# Altium PCB AVR64DA64-BREAKOUT.PcbDoc (part 4 of 4) (continued)
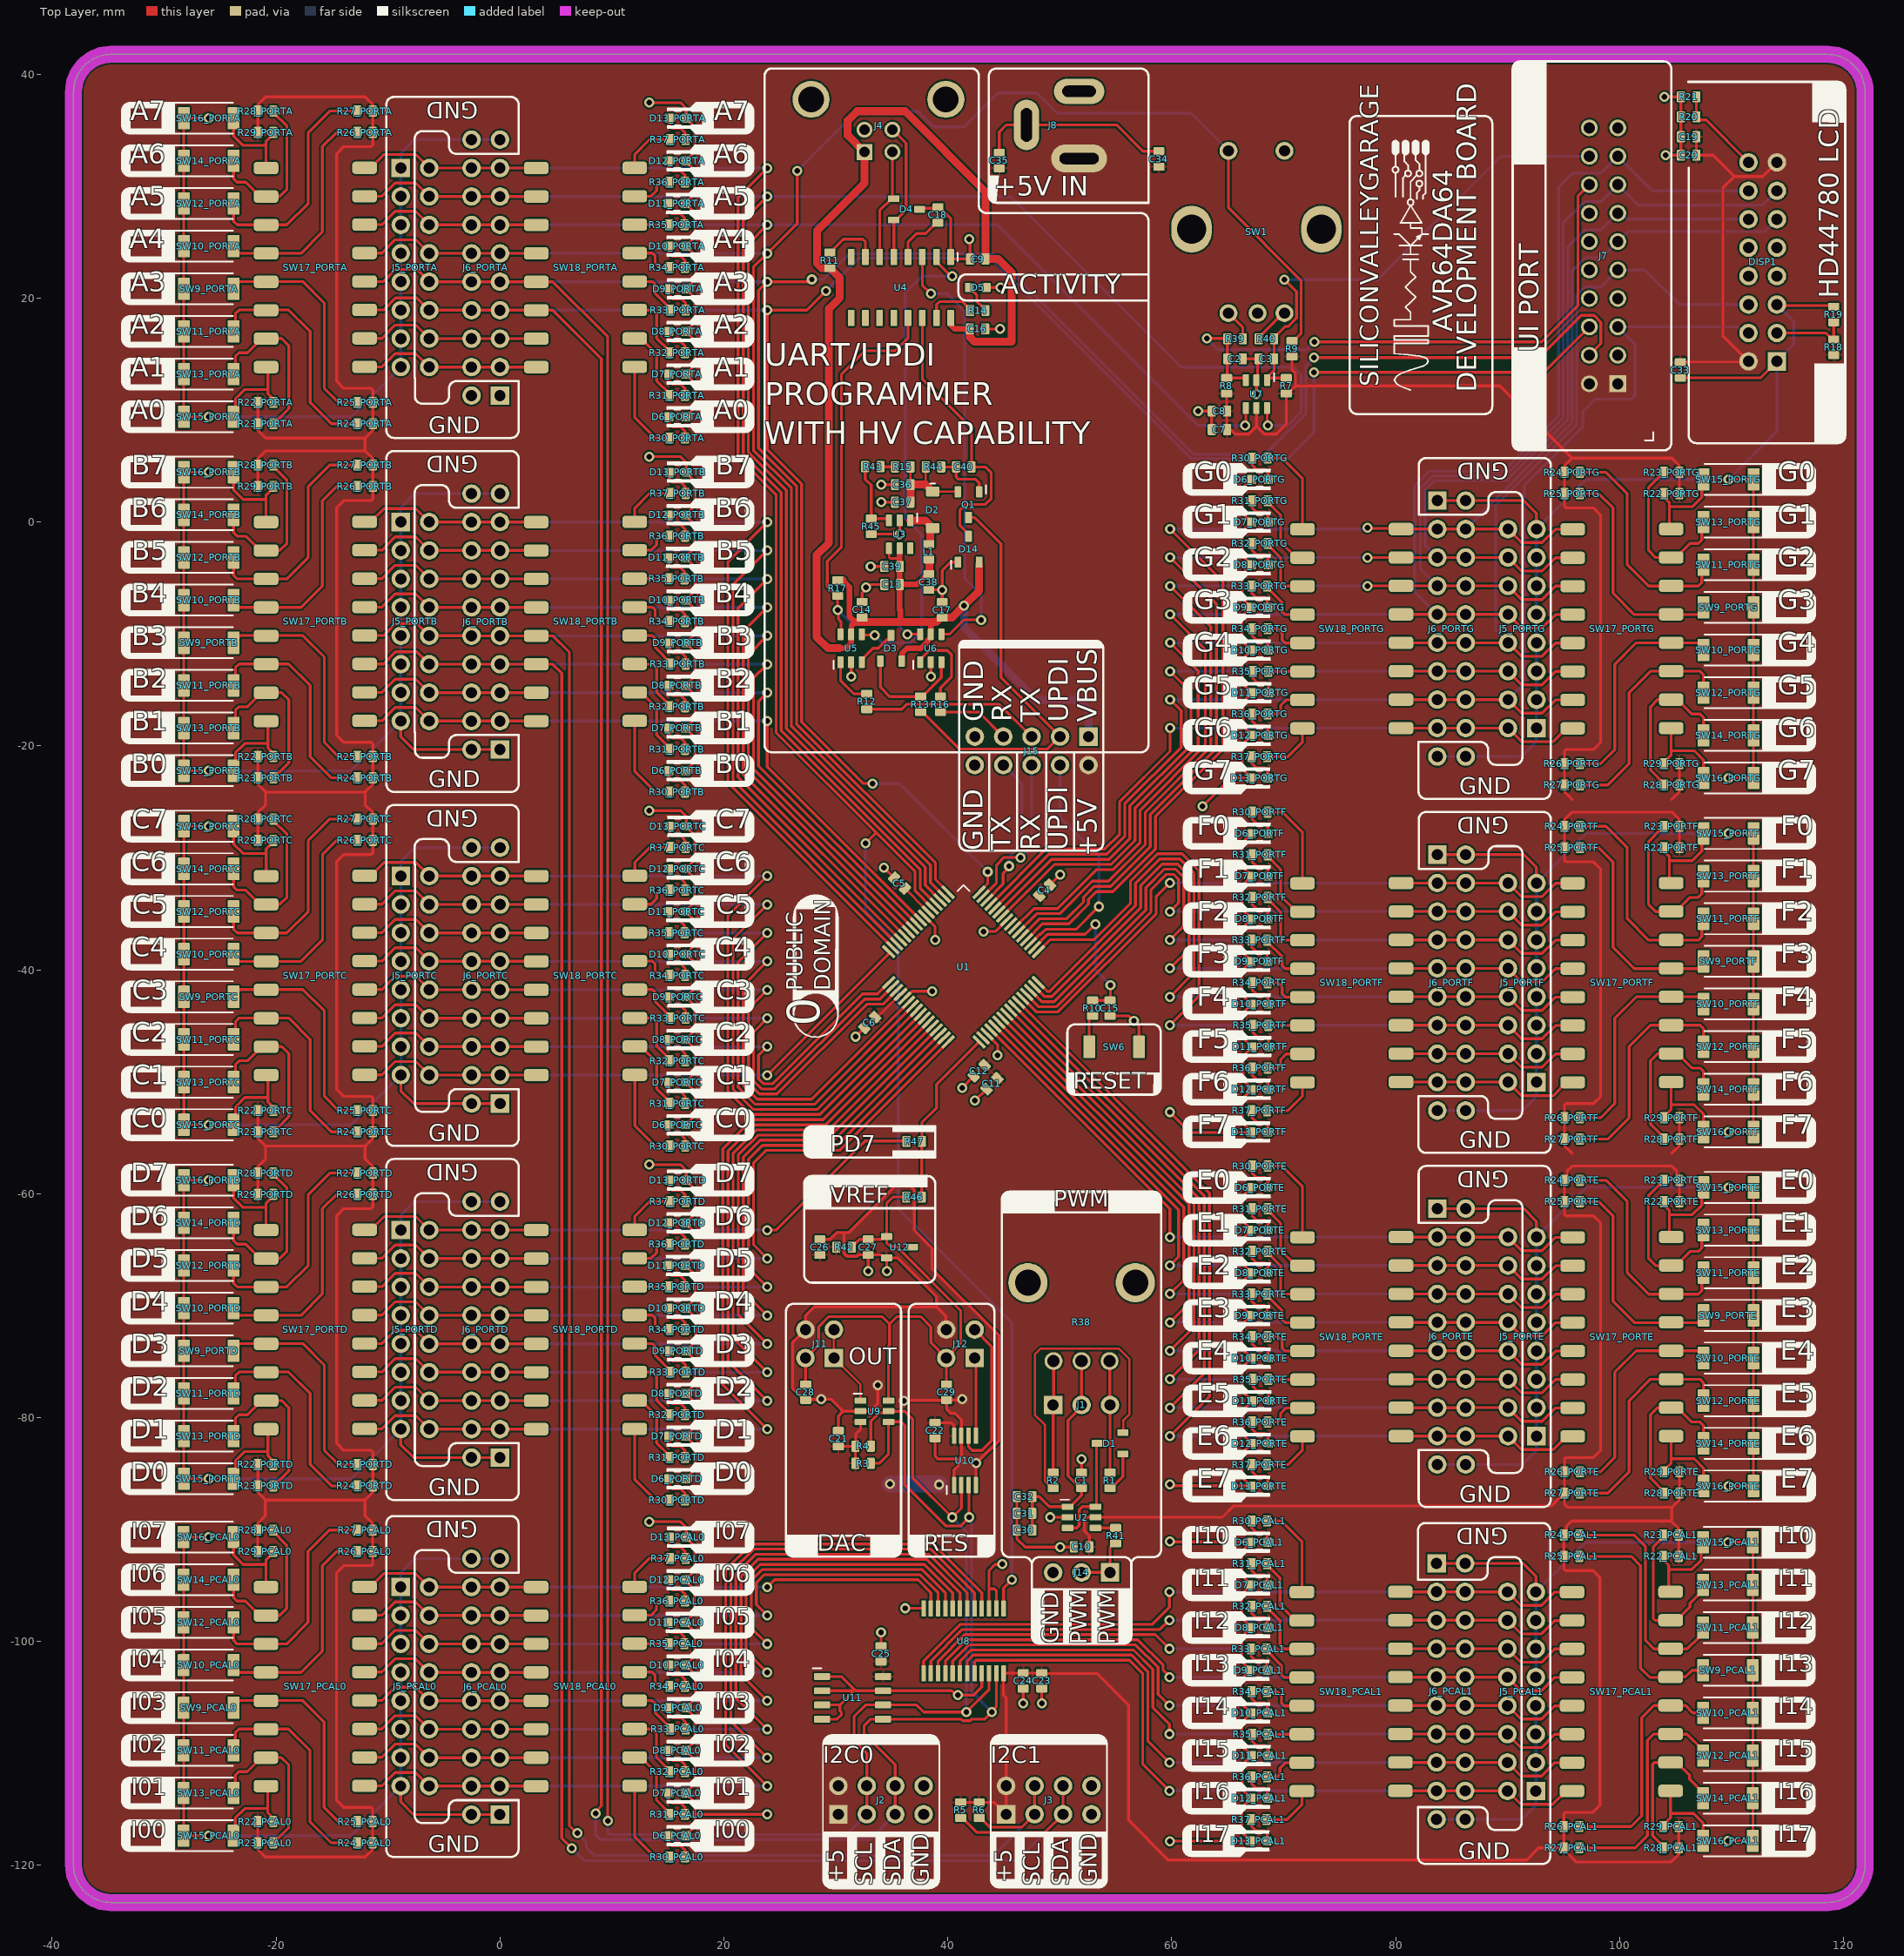
[diagram p0: Top Layer view]
## Nets (pads, with @x,y where several pads share a name; then routed paths per layer and width w, separated by ;. In a path a pad name is that pad's centre, name@x,y a point inside that pad or via, vN(x,y) a via of type N, cw(c..) or ccw(c..) an arc to the next point about the centre after c; other vN are vias at no path point) (continued)
PC4: J5_PORTC.8 J6_PORTC.11 J6_PORTC.12 SW17_PORTC.5 SW18_PORTC.12 U1.22 | length 71
  Top Layer w0.254: SW17_PORTC.5@-12.09,-39.218 -10.545,-39.218 -9.358,-38.032 -7.524,-38.032 J5_PORTC.8@-6.318,-39.238 -6.315,-39.241 3.237,-39.241 SW18_PORTC.12@3.24,-39.243 ; v1(23.88,-39.243) 21.728,-41.395 21.728,-50.294 22.989,-51.555 27.834,-51.555 U1.22@36.492,-42.898
  Bottom Layer w0.254: J6_PORTC.11@0.004,-39.243 v1(23.88,-39.243)
PC5: J5_PORTC.6 J6_PORTC.13 J6_PORTC.14 SW17_PORTC.6 SW18_PORTC.11 U1.23 | length 74.9
  Top Layer w0.254: SW17_PORTC.6@-12.09,-36.678 -10.545,-36.678 -9.358,-35.492 -7.524,-35.492 -6.315,-36.701 3.237,-36.701 SW18_PORTC.11@3.24,-36.703 ; v1(23.88,-36.703) 21.271,-39.312 21.271,-50.484 22.799,-52.012 28.084,-52.012 U1.23@36.845,-43.251
  Bottom Layer w0.254: J6_PORTC.13@0.004,-36.703 v1(23.88,-36.703)
PC6: J5_PORTC.4 J6_PORTC.15 J6_PORTC.16 SW17_PORTC.7 SW18_PORTC.10 U1.24 | length 78.8
  Top Layer w0.254: SW17_PORTC.7@-12.09,-34.138 -10.545,-34.138 -9.358,-32.952 -7.524,-32.952 -6.315,-34.161 3.237,-34.161 SW18_PORTC.10@3.24,-34.163 ; v1(23.88,-34.163) 20.814,-37.229 20.814,-50.673 22.61,-52.469 28.334,-52.469 U1.24@37.199,-43.605
  Bottom Layer w0.254: J6_PORTC.15@0.004,-34.163 v1(23.88,-34.163)
PC7: J5_PORTC.2 J6_PORTC.17 J6_PORTC.18 SW17_PORTC.8 SW18_PORTC.9 U1.25 | length 82.7
  Top Layer w0.254: SW17_PORTC.8@-12.09,-31.598 -11.54,-31.598 -10.353,-30.412 -7.524,-30.412 J5_PORTC.2@-6.318,-31.618 -6.315,-31.621 3.237,-31.621 SW18_PORTC.9@3.24,-31.623 ; v1(23.88,-31.623) 20.356,-35.146 20.356,-50.862 22.42,-52.926 28.584,-52.926 U1.25@37.552,-43.958
  Bottom Layer w0.254: J6_PORTC.17@0.004,-31.623 v1(23.88,-31.623)
PD0: J5_PORTD.16 J6_PORTD.3 J6_PORTD.4 SW17_PORTD.1 SW18_PORTD.16 U1.26 | length 89.7
  Top Layer w0.254: SW17_PORTD.1@-12.094,-81.001 -10.549,-81.001 -9.362,-79.815 -7.528,-79.815 J5_PORTD.16@-6.322,-81.021 -6.319,-81.024 3.233,-81.024 SW18_PORTD.16@3.236,-81.026 ; v1(23.876,-81.026) 19.907,-77.057 19.907,-55.982 22.505,-53.384 26.188,-53.384 28.834,-53.384 U1.26@37.906,-44.312
  Bottom Layer w0.254: J6_PORTD.3@0,-81.026 v1(23.876,-81.026)
PD1: J5_PORTD.14 J6_PORTD.5 J6_PORTD.6 SW17_PORTD.2 SW18_PORTD.15 U1.27 | length 86.6
  Top Layer w0.254: SW17_PORTD.2@-12.094,-78.461 -10.549,-78.461 -9.362,-77.275 -7.528,-77.275 J5_PORTD.14@-6.322,-78.481 -6.319,-78.484 3.233,-78.484 SW18_PORTD.15@3.236,-78.486 ; v1(23.876,-78.486) 20.364,-74.974 20.364,-56.171 22.694,-53.841 26.377,-53.841 29.084,-53.841 U1.27@38.259,-44.665
  Bottom Layer w0.254: J6_PORTD.5@0,-78.486 v1(23.876,-78.486)
PD2: J5_PORTD.12 J6_PORTD.7 J6_PORTD.8 SW17_PORTD.3 SW18_PORTD.14 U1.28 | length 83.5
  Top Layer w0.254: SW17_PORTD.3@-12.094,-75.921 -10.549,-75.921 -9.362,-74.735 -7.528,-74.735 J5_PORTD.12@-6.322,-75.941 -6.319,-75.944 3.233,-75.944 SW18_PORTD.14@3.236,-75.946 ; v1(23.876,-75.946) 20.821,-72.891 20.821,-56.36 22.883,-54.298 26.566,-54.298 29.334,-54.298 U1.28@38.613,-45.019
  Bottom Layer w0.254: J6_PORTD.7@0,-75.946 v1(23.876,-75.946)
PD3: J5_PORTD.10 J6_PORTD.9 J6_PORTD.10 SW17_PORTD.4 SW18_PORTD.13 U1.29 | length 80.4
  Top Layer w0.254: SW17_PORTD.4@-12.094,-73.381 -10.549,-73.381 -9.362,-72.195 -7.528,-72.195 J5_PORTD.10@-6.322,-73.401 -6.319,-73.404 3.233,-73.404 SW18_PORTD.13@3.236,-73.406 ; v1(23.876,-73.406) 21.278,-70.808 21.278,-56.55 23.073,-54.755 26.756,-54.755 29.584,-54.755 U1.29@38.966,-45.373
  Bottom Layer w0.254: J6_PORTD.9@0,-73.406 v1(23.876,-73.406)
PD4: J5_PORTD.8 J6_PORTD.11 J6_PORTD.12 SW17_PORTD.5 SW18_PORTD.12 U1.30 | length 77.4
  Top Layer w0.254: SW17_PORTD.5@-12.094,-70.841 -10.549,-70.841 -9.362,-69.655 -7.528,-69.655 J5_PORTD.8@-6.322,-70.861 -6.319,-70.864 3.233,-70.864 SW18_PORTD.12@3.236,-70.866 ; v1(23.876,-70.866) 21.735,-68.725 21.735,-56.739 23.262,-55.212 26.945,-55.212 29.834,-55.212 U1.30@39.32,-45.726
  Bottom Layer w0.254: J6_PORTD.11@0,-70.866 v1(23.876,-70.866)
PD5: J5_PORTD.6 J6_PORTD.13 J6_PORTD.14 SW17_PORTD.6 SW18_PORTD.11 U1.31 | length 74.3
  Top Layer w0.254: SW17_PORTD.6@-12.094,-68.301 -10.549,-68.301 -9.362,-67.115 -7.528,-67.115 J5_PORTD.6@-6.322,-68.321 -6.319,-68.324 3.233,-68.324 SW18_PORTD.11@3.236,-68.326 ; v1(23.876,-68.326) 22.193,-66.643 22.193,-56.928 23.451,-55.67 30.083,-55.67 U1.31@39.673,-46.08
  Bottom Layer w0.254: J6_PORTD.13@0,-68.326 v1(23.876,-68.326)
PD6: J5_PORTD.4 J6_PORTD.15 J6_PORTD.16 SW17_PORTD.7 SW18_PORTD.10 U1.32 | length 71.1
  Top Layer w0.254: SW17_PORTD.7@-12.094,-65.761 -10.549,-65.761 -9.362,-64.575 -7.528,-64.575 J5_PORTD.4@-6.322,-65.781 -6.319,-65.784 3.233,-65.784 SW18_PORTD.10@3.236,-65.786 ; v1(23.876,-65.786) 22.65,-64.56 22.65,-57.233 23.756,-56.127 30.333,-56.127 U1.32@40.027,-46.433
  Bottom Layer w0.254: J6_PORTD.15@0,-65.786 v1(23.876,-65.786)
PD7: J5_PORTD.2 J6_PORTD.17 J6_PORTD.18 R47.1 SW17_PORTD.8 SW18_PORTD.9 | length 55.9
  Top Layer w0.254: SW17_PORTD.8@-12.094,-63.221 -11.544,-63.221 -10.357,-62.035 -7.528,-62.035 J5_PORTD.2@-6.322,-63.241 -6.319,-63.244 0,-63.244 3.233,-63.244 SW18_PORTD.9@3.236,-63.246 ; v1(23.876,-63.246) 24.638,-63.246 32.599,-55.285 R47.1@36.31,-55.285
  Bottom Layer w0.254: J6_PORTD.17@0,-63.246 v1(23.876,-63.246)
PE0: J5_PORTE.16 J6_PORTE.3 J6_PORTE.4 SW17_PORTE.1 SW18_PORTE.16 U1.36 | length 65.3
  Top Layer w0.254: U1.36@43.845,-45.372 59.837,-61.364 v1(59.837,-63.869) ; SW18_PORTE.16@80.477,-63.868 80.48,-63.871 90.032,-63.871 J5_PORTE.16@90.035,-63.874 91.241,-65.08 93.075,-65.08 94.261,-63.893 SW17_PORTE.1@95.807,-63.893
  Bottom Layer w0.254: v1(59.837,-63.869) J6_PORTE.3@83.713,-63.869
PE1: J5_PORTE.14 J6_PORTE.5 J6_PORTE.6 SW17_PORTE.2 SW18_PORTE.15 U1.37 | length 68.7
  Top Layer w0.254: U1.37@44.199,-45.019 60.617,-61.437 60.617,-65.629 v1(59.837,-66.409) ; SW18_PORTE.15@80.477,-66.408 80.48,-66.411 90.032,-66.411 J5_PORTE.14@90.035,-66.414 91.241,-67.62 93.075,-67.62 94.261,-66.433 SW17_PORTE.2@95.807,-66.433
  Bottom Layer w0.254: v1(59.837,-66.409) J6_PORTE.5@83.713,-66.409
PE2: J5_PORTE.12 J6_PORTE.7 J6_PORTE.8 SW17_PORTE.3 SW18_PORTE.14 U1.38 | length 71.8
  Top Layer w0.254: U1.38@44.553,-44.665 61.074,-61.187 61.074,-67.712 v1(59.837,-68.949) ; SW18_PORTE.14@80.477,-68.948 80.48,-68.951 90.032,-68.951 J5_PORTE.12@90.035,-68.954 91.241,-70.16 93.075,-70.16 94.261,-68.973 SW17_PORTE.3@95.807,-68.973
  Bottom Layer w0.254: v1(59.837,-68.949) J6_PORTE.7@83.713,-68.949
PE3: J5_PORTE.10 J6_PORTE.9 J6_PORTE.10 SW17_PORTE.4 SW18_PORTE.13 U1.39 | length 75
  Top Layer w0.254: U1.39@44.906,-44.312 61.531,-60.937 61.531,-69.794 v1(59.837,-71.489) ; SW18_PORTE.13@80.477,-71.488 80.48,-71.491 90.032,-71.491 J5_PORTE.10@90.035,-71.494 91.241,-72.7 93.075,-72.7 94.261,-71.513 SW17_PORTE.4@95.807,-71.513
  Bottom Layer w0.254: v1(59.837,-71.489) J6_PORTE.9@83.713,-71.489
PE4: J5_PORTE.8 J6_PORTE.11 J6_PORTE.12 SW17_PORTE.5 SW18_PORTE.12 U1.40 | length 78.1
  Top Layer w0.254: U1.40@45.26,-43.958 61.989,-60.687 61.989,-71.877 v1(59.837,-74.029) ; SW18_PORTE.12@80.477,-74.028 80.48,-74.031 90.032,-74.031 J5_PORTE.8@90.035,-74.034 91.241,-75.24 93.075,-75.24 94.261,-74.053 SW17_PORTE.5@95.807,-74.053
  Bottom Layer w0.254: v1(59.837,-74.029) J6_PORTE.11@83.713,-74.029
PE5: J5_PORTE.6 J6_PORTE.13 J6_PORTE.14 SW17_PORTE.6 SW18_PORTE.11 U1.41 | length 81.2
  Top Layer w0.254: U1.41@45.613,-43.605 62.446,-60.437 62.446,-73.96 v1(59.837,-76.569) ; SW18_PORTE.11@80.477,-76.568 80.48,-76.571 90.032,-76.571 J5_PORTE.6@90.035,-76.574 91.241,-77.78 93.075,-77.78 94.261,-76.593 SW17_PORTE.6@95.807,-76.593
  Bottom Layer w0.254: v1(59.837,-76.569) J6_PORTE.13@83.713,-76.569
PE6: J5_PORTE.4 J6_PORTE.15 J6_PORTE.16 SW17_PORTE.7 SW18_PORTE.10 U1.42 | length 84.3
  Top Layer w0.254: U1.42@45.967,-43.251 62.903,-60.187 62.903,-76.043 v1(59.837,-79.109) ; SW18_PORTE.10@80.477,-79.108 80.48,-79.111 J6_PORTE.16@86.253,-79.111 ; J6_PORTE.16@86.253,-79.109 J5_PORTE.4@90.03,-79.109 ; J5_PORTE.4@90.035,-79.114 91.241,-80.32 93.075,-80.32 94.261,-79.133 SW17_PORTE.7@95.807,-79.133
  Bottom Layer w0.254: v1(59.837,-79.109) J6_PORTE.15@83.713,-79.109
PE7: J5_PORTE.2 J6_PORTE.17 J6_PORTE.18 SW17_PORTE.8 SW18_PORTE.9 U1.43 | length 87.5
  Top Layer w0.254: U1.43@46.32,-42.898 63.36,-59.938 63.36,-78.126 v1(59.837,-81.649) ; SW18_PORTE.9@80.477,-81.648 80.48,-81.651 90.032,-81.651 J5_PORTE.2@90.035,-81.654 91.241,-82.86 94.07,-82.86 95.257,-81.673 SW17_PORTE.8@95.807,-81.673
  Bottom Layer w0.254: v1(59.837,-81.649) J6_PORTE.17@83.713,-81.649
PF0: J5_PORTF.16 J6_PORTF.3 J6_PORTF.4 SW17_PORTF.1 SW18_PORTF.16 U1.44 | length 59.5
  Top Layer w0.254: U1.44@46.674,-42.544 47.888,-43.758 49.856,-43.758 58.598,-35.016 58.598,-33.485 v1(59.837,-32.246) ; SW18_PORTF.16@80.477,-32.245 80.48,-32.248 90.032,-32.248 J5_PORTF.16@90.035,-32.251 91.241,-33.457 93.075,-33.457 94.261,-32.27 SW17_PORTF.1@95.807,-32.27
  Bottom Layer w0.254: v1(59.837,-32.246) J6_PORTF.3@83.713,-32.246
PF1: J5_PORTF.14 J6_PORTF.5 J6_PORTF.6 SW17_PORTF.2 SW18_PORTF.15 U1.45 | length 63.7
  Top Layer w0.254: U1.45@47.027,-42.191 48.138,-43.301 49.666,-43.301 58.141,-34.827 58.141,-32.839 59.514,-31.466 60.16,-31.466 60.617,-31.923 60.617,-34.006 v1(59.837,-34.786) ; SW18_PORTF.15@80.477,-34.785 80.48,-34.788 90.032,-34.788 J5_PORTF.14@90.035,-34.791 91.241,-35.997 93.075,-35.997 94.261,-34.81 SW17_PORTF.2@95.807,-34.81
  Bottom Layer w0.254: v1(59.837,-34.786) J6_PORTF.5@83.713,-34.786
PF2: J5_PORTF.12 J6_PORTF.7 J6_PORTF.8 SW17_PORTF.3 SW18_PORTF.14 U1.46 | length 66.8
  Top Layer w0.254: U1.46@47.381,-41.837 48.388,-42.844 49.477,-42.844 57.683,-34.638 57.683,-32.649 59.324,-31.009 60.349,-31.009 61.074,-31.733 61.074,-36.089 v1(59.837,-37.326) ; SW18_PORTF.14@80.477,-37.325 80.48,-37.328 90.032,-37.328 J5_PORTF.12@90.035,-37.331 91.241,-38.537 93.075,-38.537 94.261,-37.35 SW17_PORTF.3@95.807,-37.35
  Bottom Layer w0.254: v1(59.837,-37.326) J6_PORTF.7@83.713,-37.326
PF3: J5_PORTF.10 J6_PORTF.9 J6_PORTF.10 SW17_PORTF.4 SW18_PORTF.13 U1.47 | length 69.9
  Top Layer w0.254: U1.47@47.734,-41.483 48.638,-42.387 49.288,-42.387 57.226,-34.448 57.226,-32.46 59.135,-30.551 60.539,-30.551 61.531,-31.544 61.531,-38.171 v1(59.837,-39.866) ; SW18_PORTF.13@80.477,-39.865 80.48,-39.868 90.032,-39.868 J5_PORTF.10@90.035,-39.871 91.241,-41.077 93.075,-41.077 94.261,-39.89 SW17_PORTF.4@95.807,-39.89
  Bottom Layer w0.254: v1(59.837,-39.866) J6_PORTF.9@83.713,-39.866
PF4: J5_PORTF.8 J6_PORTF.11 J6_PORTF.12 SW17_PORTF.5 SW18_PORTF.12 U1.48 | length 73
  Top Layer w0.254: U1.48@48.088,-41.13 48.888,-41.93 49.098,-41.93 56.769,-34.259 56.769,-32.271 58.945,-30.094 60.728,-30.094 61.989,-31.355 61.989,-40.254 v1(59.837,-42.406) ; SW18_PORTF.12@80.477,-42.405 80.48,-42.408 90.032,-42.408 J5_PORTF.8@90.035,-42.411 91.241,-43.617 93.075,-43.617 94.261,-42.43 SW17_PORTF.5@95.807,-42.43
  Bottom Layer w0.254: v1(59.837,-42.406) J6_PORTF.11@83.713,-42.406
PF5: J5_PORTF.6 J6_PORTF.13 J6_PORTF.14 SW17_PORTF.6 SW18_PORTF.11 U1.49 | length 74.8
  Top Layer w0.254: U1.49@48.088,-38.372 49.155,-37.305 53.076,-37.305 56.312,-34.069 56.312,-32.081 58.756,-29.637 60.917,-29.637 62.446,-31.165 62.446,-42.337 v1(59.837,-44.946) ; SW18_PORTF.11@80.477,-44.945 80.48,-44.948 90.032,-44.948 J5_PORTF.6@90.035,-44.951 91.241,-46.157 93.075,-46.157 94.261,-44.97 SW17_PORTF.6@95.807,-44.97
  Bottom Layer w0.254: v1(59.837,-44.946) J6_PORTF.13@83.713,-44.946
PG5: J5_PORTG.6 J6_PORTG.13 J6_PORTG.14 SW17_PORTG.6 SW18_PORTG.11 U1.59 | length 72.6
  Top Layer w0.254: U1.59@44.553,-34.837 49.265,-30.124 54.088,-30.124 54.389,-30.124 56.261,-28.253 56.261,-25.354 61.722,-19.893 61.722,-15.195 v1(59.85,-13.323) ; SW18_PORTG.11@80.477,-13.322 80.48,-13.325 90.032,-13.325 J5_PORTG.6@90.035,-13.328 91.241,-14.534 93.075,-14.534 94.261,-13.347 SW17_PORTG.6@95.807,-13.347
  Bottom Layer w0.254: v1(59.85,-13.323) J6_PORTG.13@83.726,-13.323
PG7: J5_PORTG.2 J6_PORTG.17 J6_PORTG.18 SW17_PORTG.8 SW18_PORTG.9 U1.61 | length 65.6
  Top Layer w0.254: U1.61@43.845,-34.13 48.765,-29.21 54.01,-29.21 55.347,-27.874 55.347,-24.975 59.85,-20.472 v1(59.85,-18.403) ; SW18_PORTG.9@80.477,-18.402 80.48,-18.405 90.032,-18.405 J5_PORTG.2@90.035,-18.408 91.241,-19.614 94.07,-19.614 95.257,-18.427 SW17_PORTG.8@95.807,-18.427
  Bottom Layer w0.254: v1(59.85,-18.403) J6_PORTG.17@83.726,-18.403
ROT-PHA: C2.1 J7.16 R8.2 R39.1 U7.3 | length 53.6
  Top Layer w0.254: v1(63.125,16.4) 64.932,16.4 R39.1@64.969,16.363 64.969,12.934 R8.2@64.897,12.862 66.466,12.862 66.614,12.714 U7.3@66.614,12.68 ; v1(72.725,16.1) 93.05,16.1 96.273,19.323 96.273,22.09 96.273,22.94 96.273,29.108 J7.16@97.3,30.135
  Bottom Layer w0.254: v1(63.125,16.4) 64.125,15.4 72.025,15.4 v1(72.725,16.1)
ROT-PHB: C3.1 J7.18 R7.2 R40.1 U7.1 | length 44.3
  Top Layer w0.254: v1(70.05,21.65) 71.141,20.559 71.141,18.216 70.399,17.473 70.118,17.473 69.143,16.498 69.143,13.559 68.514,12.93 U7.1@68.514,12.68 68.514,12.714 68.662,12.862 R7.2@70.231,12.862
  Bottom Layer w0.254: v1(70.05,21.65) 78.375,21.65 89.4,32.675 J7.18@97.3,32.675
RTS: C40.1 D14.3 U4.14 | length 25.3
  Top Layer w0.254: U4.14@37.719,18.23 37.719,12.781 42.115,8.385 C40.1@42.115,4.925 43.35,4.925 43.875,4.4 43.875,2.1 43.35,1.575 41.575,1.575 41.075,1.075 41.075,-0.3 41.85,-1.075 D14.3@41.85,-1.275
SCL2: J3.3 J3.4 J5_PORTB.10 J6_PORTB.9 J6_PORTB.10 R6.2 SW17_PORTB.4 SW18_PORTB.13 U1.11 | length 234.3
  Top Layer w0.254: SW17_PORTB.4@-12.094,-10.135 -10.402,-10.135 -9.319,-9.053 -7.424,-9.053 -6.32,-10.157 -2.54,-10.157 -2.538,-10.16 J6_PORTB.9@0,-10.16 0,-10.158 0.003,-10.16 SW18_PORTB.13@3.236,-10.16 4.717,-10.16 6.197,-11.64 6.197,-116.449 6.848,-117.1 v1(6.9,-117.1) ; v1(23.876,-10.16) 22.181,-11.855 22.181,-22.294 U1.11@36.492,-36.604 ; R6.2@42.799,-115.752 42.934,-115.752 43.769,-116.587 46.592,-116.587 J3.3@47.748,-115.432 J3.4@47.748,-112.892
  Bottom Layer w0.254: J6_PORTB.9@0,-10.16 v1(23.876,-10.16) ; v1(6.9,-117.1) 7.712,-117.912 7.712,-118.412 8.4,-119.1 44.08,-119.1 J3.3@47.748,-115.432
SDA1: J3.5 J3.6 J5_PORTB.12 J6_PORTB.7 J6_PORTB.8 R5.2 SW17_PORTB.3 SW18_PORTB.14 U1.10 | length 236.9
  Top Layer w0.254: SW17_PORTB.3@-12.094,-12.675 -10.402,-12.675 -9.319,-11.593 -7.424,-11.593 -6.32,-12.697 -2.54,-12.697 -2.538,-12.7 J6_PORTB.7@0,-12.7 0,-12.698 0.003,-12.7 SW18_PORTB.14@3.236,-12.7 4.717,-12.7 5.509,-13.493 5.509,-117.559 v1(6.425,-118.475) ; v1(23.876,-12.7) 22.639,-13.937 22.639,-22.044 U1.10@36.845,-36.251 ; R5.2@41.148,-115.752 41.283,-115.752 42.576,-117.045 48.675,-117.045 J3.5@50.288,-115.432 J3.6@50.288,-112.892
  Bottom Layer w0.254: J6_PORTB.7@0,-12.7 v1(23.876,-12.7) ; v1(6.425,-118.475) 7.525,-119.575 46.145,-119.575 J3.5@50.288,-115.432
UART-RX: J15.6 U1.63 | length 14.4
  Top Layer w0.254: U1.63@43.138,-33.422 44.341,-32.22 44.341,-30.628 45.016,-29.954 46.464,-29.954 v1(46.482,-29.972)
  Bottom Layer w0.254: v1(46.482,-29.972) 47.485,-28.969 J15.6@47.485,-21.708
UART-TX: J15.8 U1.62 | length 14
  Top Layer w0.254: U1.62@43.492,-33.776 44.945,-32.322 44.945,-31.389 45.466,-30.868 v1(45.466,-30.734)
  Bottom Layer w0.254: J15.8@44.945,-21.708 46.609,-23.371 46.609,-28.742 45.466,-29.885 v1(45.466,-30.734)
UPDI: J15.4 U1.51 | length 21.6
  Top Layer w0.254: U1.51@47.381,-37.665 48.216,-36.83 48.277,-36.83 48.734,-36.373 51.477,-36.373 v1(53.5,-34.35)
  Bottom Layer w0.254: J15.4@50.025,-21.708 50.025,-26.393 53.5,-29.868 v1(53.5,-34.35)
USBRX: J15.7 R16.2 | length 6.5
  Top Layer w0.254: R16.2@39.343,-16.965 42.743,-16.965 J15.7@44.945,-19.168
USBTX: J15.5 R12.2 | length 16.1
  Top Layer w0.254: R12.2@32.759,-16.715 35.879,-16.715 36.319,-16.275 38.144,-16.275 38.593,-16.275 44.593,-16.275 J15.5@47.485,-19.168
VBUS: C9.1 C13.1 C14.1 C16.1 C17.1 C38.1 C39.1 D3.2 D14.2 J4.1 J15.1 L1.1 R11.1 R17.1 U3.4 U3.5 U4.16 U5.5 U6.5 | length 150.3
  Top Layer w0.2: U3.4@34.75,-2.35 34.75,-3.133 34.867,-3.25 35.65,-3.25 35.7,-3.2
  Top Layer w0.5: 30.285,-11.275 30.909,-11.275 31.366,-10.818 U5.5@31.366,-10.021 31.391,-9.996 31.391,-9.259 31.707,-8.943 31.2,-8.436 31.2,-5.785 R17.1@30.625,-5.21 ; U3.5@35.7,-2.35 35.7,-3.2 35.7,-7.803 35.75,-7.853 35.75,-8.943 ; C13.1@35.715,-5.575 37.25,-5.575 38.165,-4.66 C38.1@38.3,-4.66 ; D3.2@35.872,-12.421 35.922,-12.371 35.922,-11.703 36.35,-11.275 37.599,-11.275 38.203,-10.671 38.203,-10.546 38.453,-10.296 38.453,-10.046 U6.5@38.478,-10.021 38.478,-8.943 ; U4.16@40.259,18.23 40.309,18.18 40.309,17.543 40.602,17.25 C16.1@41.982,17.25
  Top Layer w0.7: R17.1@30.175,-5.21 R17.1@30.625,-5.21 ; 30.285,-11.275 29.3,-11.275 28.275,-10.25 28.275,-2.95 29.375,-1.85 29.375,19.05 30.35,20.025 30.35,21.792 29.609,22.533 29.609,22.668 29.599,22.678 R11.1@29.464,22.678 29.454,22.688 28.739,22.688 28.329,23.098 28.329,26.037 32.552,30.26 J4.1@32.552,33.052 31.05,34.554 31.05,35.85 31.9,36.7 36.175,36.7 43.362,29.513 C9.1@43.362,23.495 ; 31.707,-8.943 35.75,-8.943 38.403,-8.943 38.478,-8.943 38.944,-8.943 39.345,-8.542 39.48,-8.542 C17.1@39.49,-8.532 39.5,-8.522 40.377,-8.522 41.421,-7.478 v1(41.455,-7.478) 42.8,-6.133 D14.2@42.8,-3.775 ; L1.1@38.3,-3.34 38.353,-3.34 38.363,-3.35 C38.1@38.363,-4.65 ; C16.1@41.95,17.395 41.96,17.385 C16.1@41.96,17.25 ; C16.1@41.982,17.25 41.982,16.518 42.392,16.107 45.707,16.107 45.707,22.293 44.505,23.495 C9.1@43.362,23.495 ; C9.1@43.362,23.36 C9.1@43.362,23.495
  Bottom Layer w0.7: v1(41.455,-7.478) 41.455,-9.43 47.9,-15.875 51.65,-15.875 52.565,-16.79 J15.1@52.565,-19.168
VREF: C27.1 C28.2 C29.1 J11.2 J12.2 R42.2 R46.1 U9.6 U12.1 | length 52.6
  Top Layer w0.254: C28.2@27.305,-77.034 27.284,-77.013 J11.2@27.284,-74.673 28.448,-73.509 28.448,-71.875 29.346,-70.978 34.128,-70.978 34.789,-71.639 ; R42.2@31.424,-64.77 31.424,-64.635 31.657,-64.402 31.792,-64.402 32.114,-64.08 C27.1@32.893,-64.08 34.081,-64.08 34.337,-63.824 U12.1@34.537,-63.824 ; U9.6@34.7,-78.475 34.7,-73.607 34.789,-73.518 34.789,-71.639 ; R46.1@36.285,-60.285 35.116,-60.285 34.537,-60.864 U12.1@34.537,-63.824 ; C29.1@39.878,-77.034 39.857,-77.013 J12.2@39.857,-74.673 ; U12.1@34.537,-63.824 34.537,-64.382 34.855,-64.7 35.413,-64.7 41.148,-70.435 41.148,-73.382 J12.2@39.857,-74.673 ; 34.789,-71.639 35.45,-70.978 37.577,-70.978 38.481,-71.882 38.481,-73.297 J12.2@39.857,-74.673
pads on no net: R38.ME1 R38.ME2 SW1.M1 SW1.M2 U3.6 U4.8 U12.3

## Polygon pours and split planes (outlines as drawn)
P5VD on Top Layer "AGND" (solid, remove dead copper, pour order 1): -40.64,-127 -40.64,45.72 124.46,45.72 124.46,-127 -30.48,-127
GND on Top Layer "AGND" (solid, remove dead copper, pour order 2): 25.4,-58.85 25.4,-90.4 45.775,-90.4 45.775,-58.85 29.975,-58.85
GND on Bottom Layer "G" (solid, remove dead copper, pour order 0): 124.46,-124.46 124.46,43.18 -40.64,43.18 -40.64,-124.46

## Keep-outs
Keep-Out Layer:
  the board outline again, w1.524

## Silkscreen, mask and mechanical layers (free items; w line width, h text height)
Top Overlay:
  drawing of 3060 lines, arcs and shapes, not listed
  text "GND" at -1.962,38.024 h2.54 r180
  text "A7" at -33.026,35.282 h3
  text "A7" at 19.116,35.282 h3
  text "A6" at -33.047,31.457 h3
  text "A6" at 19.095,31.457 h3
  text "+5V IN" at 44.125,28.57 h3
  text "A5" at -33.004,27.664 h3
  text "A5" at 19.138,27.664 h3
  text "A4" at -33.072,23.852 h3
  text "A4" at 19.07,23.852 h3
  text "A3" at -33.004,20.025 h3
  text "A3" at 19.138,20.025 h3
  text "HD44780 LCD" at 120.135,19.975 h3 r90
  text "ACTIVITY" at 44.704,19.77 h3
  text "AVR64DA64" at 85.652,16.975 h3 r90
  text "A2" at -33.016,16.213 h3
  text "A2" at 19.127,16.213 h3
  text "UI PORT" at 93.36,15.175 h3 r90
  text "A1" at -33.009,12.418 h3
  text "A1" at 19.133,12.418 h3
  text "SILICONVALLEYGARAGE" at 78.988,12.098 h2.8 r90
  text "DEVELOPMENT BOARD" at 87.802,11.6 h3 r90
  text "A0" at -33.056,8.595 h3
  text "A0" at 19.086,8.595 h3
  text "GND" at -6.395,7.442 h2.54
  text "GND" at -1.962,6.401 h2.54 r180
  text "UART/UPDI / PROGRAMMER / WITH HV CAPABILITY" at 23.622,6.269 h3.5
  text "GND" at 90.108,5.778 h2.54 r180
  text "B7" at -32.901,3.665 h3
  text "B7" at 19.241,3.665 h3
  text "G0" at 61.976,3.071 h3
  text "G0" at 114.119,3.071 h3
  text "B6" at -32.922,-0.163 h3
  text "B6" at 19.22,-0.163 h3
  text "G1" at 61.975,-0.753 h3
  text "G1" at 114.118,-0.753 h3
  text "B5" at -32.879,-3.953 h3
  text "B5" at 19.263,-3.953 h3
  text "G2" at 61.967,-4.557 h3
  text "G2" at 114.109,-4.557 h3
  text "B4" at -32.947,-7.768 h3
  text "B4" at 19.195,-7.768 h3
  text "G3" at 61.964,-8.359 h3
  text "G3" at 114.106,-8.359 h3
  text "B3" at -32.879,-11.595 h3
  text "B3" at 19.263,-11.595 h3
  text "G4" at 61.975,-12.185 h3
  text "G4" at 114.118,-12.185 h3
  text "B2" at -32.89,-15.41 h3
  text "B2" at 19.252,-15.41 h3
  text "G5" at 61.97,-15.986 h3
  text "G5" at 114.112,-15.986 h3
  text "GND" at 43.725,-17.85 h3 r90
  text "RX" at 46.25,-17.849 h3 r90
  text "TX" at 48.825,-17.872 h3 r90
  text "UPDI" at 51.3,-17.874 h3 r90
  text "VBUS" at 53.872,-17.874 h3 r90
  text "B1" at -32.884,-19.205 h3
  text "B1" at 19.258,-19.205 h3
  text "G6" at 61.975,-19.789 h3
  text "G6" at 114.118,-19.789 h3
  text "B0" at -32.931,-23.025 h3
  text "B0" at 19.211,-23.025 h3
  text "G7" at 61.978,-23.615 h3
  text "G7" at 114.12,-23.615 h3
  text "GND" at -6.395,-24.181 h2.54
  text "GND" at 85.675,-24.804 h2.54
  text "GND" at -1.959,-25.222 h2.54 r180
  text "GND" at 90.104,-25.845 h2.54 r180
  text "C7" at -32.896,-27.961 h3
  text "C7" at 19.246,-27.961 h3
  text "F0" at 62.236,-28.552 h3
  text "F0" at 114.378,-28.552 h3
  text "GND" at 43.685,-29.35 h3 r90
  text "TX" at 46.2,-29.35 h3 r90
  text "RX" at 48.825,-29.35 h3 r90
  text "UPDI" at 51.282,-29.35 h3 r90
  text "+5V" at 53.872,-29.888 h3 r90
  text "C6" at -32.917,-31.786 h3
  text "C6" at 19.225,-31.786 h3
  text "F1" at 62.235,-32.379 h3
  text "F1" at 114.377,-32.379 h3
  text "C5" at -32.874,-35.588 h3
  text "C5" at 19.268,-35.588 h3
  text "F2" at 62.226,-36.191 h3
  text "F2" at 114.369,-36.191 h3
  text "C4" at -32.942,-39.391 h3
  text "C4" at 19.2,-39.391 h3
  text "F3" at 62.223,-39.982 h3
  text "F3" at 114.365,-39.982 h3
  text "PUBLIC / DOMAIN" at 30.013,-41.875 h2.5 r90
  text "C3" at -32.874,-43.218 h3
  text "C3" at 19.268,-43.218 h3
  text "F4" at 62.235,-43.809 h3
  text "F4" at 114.377,-43.809 h3
  text "0" at 29.563,-45.016 h5 r90
  text "C2" at -32.885,-47.02 h3
  text "C2" at 19.257,-47.02 h3
  text "F5" at 62.23,-47.597 h3
  text "F5" at 114.372,-47.597 h3
  text "C1" at -32.879,-50.823 h3
  text "C1" at 19.263,-50.823 h3
  text "RESET" at 51.2,-51.134 h2.54
  text "F6" at 62.235,-51.412 h3
  text "F6" at 114.377,-51.412 h3
  text "C0" at -32.926,-54.648 h3
  text "C0" at 19.216,-54.648 h3
  text "F7" at 62.237,-55.236 h3
  text "F7" at 114.379,-55.236 h3
  text "GND" at -6.392,-55.804 h2.54
  text "GND" at 85.671,-56.427 h2.54
  text "PD7" at 29.488,-56.769 h2.54
  text "GND" at -1.962,-56.845 h2.54 r180
  text "GND" at 90.108,-57.468 h2.54 r180
  text "D7" at -32.984,-59.584 h3
  text "D7" at 19.158,-59.584 h3
  text "E0" at 62.2,-60.175 h3
  text "E0" at 114.342,-60.175 h3
  text "VREF" at 29.509,-61.296 h2.54
  text "PWM" at 49.448,-61.677 h2.54
  text "D6" at -33.005,-63.412 h3
  text "D6" at 19.137,-63.412 h3
  text "E1" at 62.199,-64.005 h3
  text "E1" at 114.341,-64.005 h3
  text "D5" at -32.962,-67.202 h3
  text "D5" at 19.18,-67.202 h3
  text "E2" at 62.191,-67.817 h3
  text "E2" at 114.333,-67.817 h3
  text "D4" at -33.03,-71.017 h3
  text "D4" at 19.112,-71.017 h3
  text "E3" at 62.188,-71.605 h3
  text "E3" at 114.33,-71.605 h3
  text "D3" at -32.962,-74.844 h3
  text "D3" at 19.18,-74.844 h3
  text "E4" at 62.199,-75.432 h3
  text "E4" at 114.341,-75.432 h3
  text "OUT" at 31.125,-75.75 h2.54
  text "D2" at -32.974,-78.659 h3
  text "D2" at 19.168,-78.659 h3
  text "E5" at 62.194,-79.22 h3
  text "E5" at 114.336,-79.22 h3
  text "D1" at -32.968,-82.454 h3
  text "D1" at 19.174,-82.454 h3
  text "E6" at 62.199,-83.035 h3
  text "E6" at 114.341,-83.035 h3
  text "D0" at -33.014,-86.274 h3
  text "D0" at 19.128,-86.274 h3
  text "E7" at 62.201,-86.859 h3
  text "E7" at 114.344,-86.859 h3
  text "GND" at -6.395,-87.427 h2.54
  text "GND" at 85.675,-88.05 h2.54
  text "GND" at -1.975,-88.734 h2.54 r180
  text "GND" at 90.045,-89.357 h2.54 r180
  text "I07" at -32.951,-91.357 h2.54
  text "I07" at 19.191,-91.357 h2.54
  text "I10" at 62.018,-91.746 h2.54
  text "I10" at 114.16,-91.746 h2.54
  text "RES" at 37.86,-92.409 h2.54
  text "DAC" at 28.335,-92.434 h2.54
  text "I06" at -32.97,-95.182 h2.54
  text "I06" at 19.172,-95.182 h2.54
  text "I11" at 62.014,-95.572 h2.54
  text "I11" at 114.156,-95.572 h2.54
  text "I05" at -32.93,-98.985 h2.54
  text "I05" at 19.212,-98.985 h2.54
  text "I12" at 62.006,-99.383 h2.54
  text "I12" at 114.148,-99.383 h2.54
  text "GND" at 50.374,-100.185 h2.54 r90
  text "PWM" at 52.914,-100.285 h2.54 r90
  text "PWM" at 55.454,-100.285 h2.54 r90
  text "I04" at -32.993,-102.787 h2.54
  text "I04" at 19.149,-102.787 h2.54
  text "I13" at 62.003,-103.176 h2.54
  text "I13" at 114.145,-103.176 h2.54
  text "I03" at -32.93,-106.613 h2.54
  text "I03" at 19.212,-106.613 h2.54
  text "I14" at 62.018,-107.004 h2.54
  text "I14" at 114.16,-107.004 h2.54
  text "I02" at -32.941,-110.415 h2.54
  text "I02" at 19.202,-110.415 h2.54
  text "I15" at 62.008,-110.797 h2.54
  text "I15" at 114.15,-110.797 h2.54
  text "I2C0" at 28.845,-111.362 h2.54
  text "I2C1" at 43.831,-111.362 h2.54
  text "I01" at -32.935,-114.219 h2.54
  text "I01" at 19.207,-114.219 h2.54
  text "I16" at 62.016,-114.606 h2.54
  text "I16" at 114.159,-114.606 h2.54
  text "I00" at -32.979,-118.043 h2.54
  text "I00" at 19.163,-118.043 h2.54
  text "I17" at 62.017,-118.434 h2.54
  text "I17" at 114.159,-118.434 h2.54
  text "GND" at -6.407,-119.316 h2.54
  text "GND" at 85.612,-119.939 h2.54
  text "+5" at 31.182,-121.539 h2.54 r90
  text "+5" at 46.168,-121.539 h2.54 r90
  text "SCL" at 33.734,-121.793 h2.54 r90
  text "SDA" at 36.274,-121.793 h2.54 r90
  text "GND" at 38.813,-121.793 h2.54 r90
  text "SCL" at 48.72,-121.793 h2.54 r90
  text "SDA" at 51.26,-121.793 h2.54 r90
  text "GND" at 53.799,-121.793 h2.54 r90
Board:
  lines w0.05: -38.096,-119.939 ccw(c-34.718,-119.939) -34.718,-123.317 2.544,-123.317 118.546,-123.317 ccw(c118.546,-119.939) 121.924,-119.939 121.924,38.405 ccw(c118.546,38.405) 118.546,41.783 -34.718,41.783 ccw(c-34.718,38.405) -38.096,38.405 -38.096,-119.939

## Text inside footprints (layer, text, board x,y; h text height)
D2: Top Assembly "K" at 38.05,3.175 h1.2 r270
D5: Top Assembly "K" at 43.472,21.355 h0.5 r180
D6_PCAL0: Top Assembly "K" at 16.624,-116.948 h0.5 r180
D6_PCAL1: Top Assembly "K" at 67.022,-91.526 h0.5
D6_PORTA: Top Assembly "K" at 16.636,9.81 h0.5 r180
D6_PORTB: Top Assembly "K" at 16.636,-21.813 h0.5 r180
D6_PORTC: Top Assembly "K" at 16.64,-53.436 h0.5 r180
D6_PORTD: Top Assembly "K" at 16.636,-85.059 h0.5 r180
D6_PORTE: Top Assembly "K" at 67.077,-59.836 h0.5
D6_PORTF: Top Assembly "K" at 67.077,-28.213 h0.5
D6_PORTG: Top Assembly "K" at 67.077,3.41 h0.5
D7_PCAL0: Top Assembly "K" at 16.624,-113.138 h0.5 r180
D7_PCAL1: Top Assembly "K" at 67.022,-95.336 h0.5
D7_PORTA: Top Assembly "K" at 16.636,13.62 h0.5 r180
D7_PORTB: Top Assembly "K" at 16.636,-18.003 h0.5 r180
D7_PORTC: Top Assembly "K" at 16.64,-49.626 h0.5 r180
D7_PORTD: Top Assembly "K" at 16.636,-81.249 h0.5 r180
D7_PORTE: Top Assembly "K" at 67.077,-63.646 h0.5
D7_PORTF: Top Assembly "K" at 67.077,-32.023 h0.5
D7_PORTG: Top Assembly "K" at 67.077,-0.4 h0.5
D8_PCAL0: Top Assembly "K" at 16.624,-109.328 h0.5 r180
D8_PCAL1: Top Assembly "K" at 67.022,-99.146 h0.5
D8_PORTA: Top Assembly "K" at 16.636,17.43 h0.5 r180
D8_PORTB: Top Assembly "K" at 16.636,-14.193 h0.5 r180
D8_PORTC: Top Assembly "K" at 16.64,-45.816 h0.5 r180
D8_PORTD: Top Assembly "K" at 16.636,-77.439 h0.5 r180
D8_PORTE: Top Assembly "K" at 67.077,-67.456 h0.5
D8_PORTF: Top Assembly "K" at 67.077,-35.833 h0.5
D8_PORTG: Top Assembly "K" at 67.077,-4.21 h0.5
D9_PCAL0: Top Assembly "K" at 16.679,-105.518 h0.5 r180
D9_PCAL1: Top Assembly "K" at 66.967,-102.956 h0.5
D9_PORTA: Top Assembly "K" at 16.691,21.24 h0.5 r180
D9_PORTB: Top Assembly "K" at 16.691,-10.383 h0.5 r180
D9_PORTC: Top Assembly "K" at 16.695,-42.006 h0.5 r180
D9_PORTD: Top Assembly "K" at 16.691,-73.629 h0.5 r180
D9_PORTE: Top Assembly "K" at 67.022,-71.266 h0.5
D9_PORTF: Top Assembly "K" at 67.022,-39.643 h0.5
D9_PORTG: Top Assembly "K" at 67.022,-8.02 h0.5
D10_PCAL0: Top Assembly "K" at 16.624,-101.708 h0.5 r180
D10_PCAL1: Top Assembly "K" at 67.022,-106.766 h0.5
D10_PORTA: Top Assembly "K" at 16.636,25.05 h0.5 r180
D10_PORTB: Top Assembly "K" at 16.636,-6.573 h0.5 r180
D10_PORTC: Top Assembly "K" at 16.64,-38.196 h0.5 r180
D10_PORTD: Top Assembly "K" at 16.636,-69.819 h0.5 r180
D10_PORTE: Top Assembly "K" at 67.077,-75.076 h0.5
D10_PORTF: Top Assembly "K" at 67.077,-43.453 h0.5
D10_PORTG: Top Assembly "K" at 67.077,-11.83 h0.5
D11_PCAL0: Top Assembly "K" at 16.569,-97.898 h0.5 r180
D11_PCAL1: Top Assembly "K" at 67.077,-110.576 h0.5
D11_PORTA: Top Assembly "K" at 16.581,28.86 h0.5 r180
D11_PORTB: Top Assembly "K" at 16.581,-2.763 h0.5 r180
D11_PORTC: Top Assembly "K" at 16.585,-34.386 h0.5 r180
D11_PORTD: Top Assembly "K" at 16.581,-66.009 h0.5 r180
D11_PORTE: Top Assembly "K" at 67.132,-78.886 h0.5
D11_PORTF: Top Assembly "K" at 67.132,-47.263 h0.5
D11_PORTG: Top Assembly "K" at 67.132,-15.64 h0.5
D12_PCAL0: Top Assembly "K" at 16.624,-94.088 h0.5 r180
D12_PCAL1: Top Assembly "K" at 67.022,-114.386 h0.5
D12_PORTA: Top Assembly "K" at 16.636,32.67 h0.5 r180
D12_PORTB: Top Assembly "K" at 16.636,1.047 h0.5 r180
D12_PORTC: Top Assembly "K" at 16.64,-30.576 h0.5 r180
D12_PORTD: Top Assembly "K" at 16.636,-62.199 h0.5 r180
D12_PORTE: Top Assembly "K" at 67.077,-82.696 h0.5
D12_PORTF: Top Assembly "K" at 67.077,-51.073 h0.5
D12_PORTG: Top Assembly "K" at 67.077,-19.45 h0.5
D13_PCAL0: Top Assembly "K" at 16.679,-90.278 h0.5 r180
D13_PCAL1: Top Assembly "K" at 66.967,-118.196 h0.5
D13_PORTA: Top Assembly "K" at 16.691,36.48 h0.5 r180
D13_PORTB: Top Assembly "K" at 16.691,4.857 h0.5 r180
D13_PORTC: Top Assembly "K" at 16.695,-26.766 h0.5 r180
D13_PORTD: Top Assembly "K" at 16.691,-58.389 h0.5 r180
D13_PORTE: Top Assembly "K" at 67.022,-86.506 h0.5
D13_PORTF: Top Assembly "K" at 67.022,-54.883 h0.5
D13_PORTG: Top Assembly "K" at 67.022,-23.26 h0.5
J7: Mechanical 13 "1" at 100.59,13.105 h0.3 r180
U1: Top Assembly "1" at 39.391,-32.645 h0.3 r315
U2: Top Assembly "1" at 50.168,-88.275 h0.3
U3: Top Assembly "1" at 36.325,0.675 h0.3 r270
U4: Top Assembly "1" at 39.959,24.405 h0.3 r270
U5: Top Assembly "1" at 30.741,-13.046 h0.3 r90
U6: Top Assembly "1" at 37.853,-13.046 h0.3 r90
U7: Top Assembly "1" at 68.189,13.205 h0.3 r270
U8: Mechanical 13 "1" at 44.783,-96.324 h0.3 r270
U9: Top Assembly "1" at 31.675,-78.8 h0.3
U10: Top Assembly "1" at 40.752,-86.745 h0.3 r90
U11: Top Assembly "1" at 28.046,-103.424 h0.3